# Altium PCB Tigershark 3D R2.3 - TR.PcbDoc (part 3 of 4) (continued)
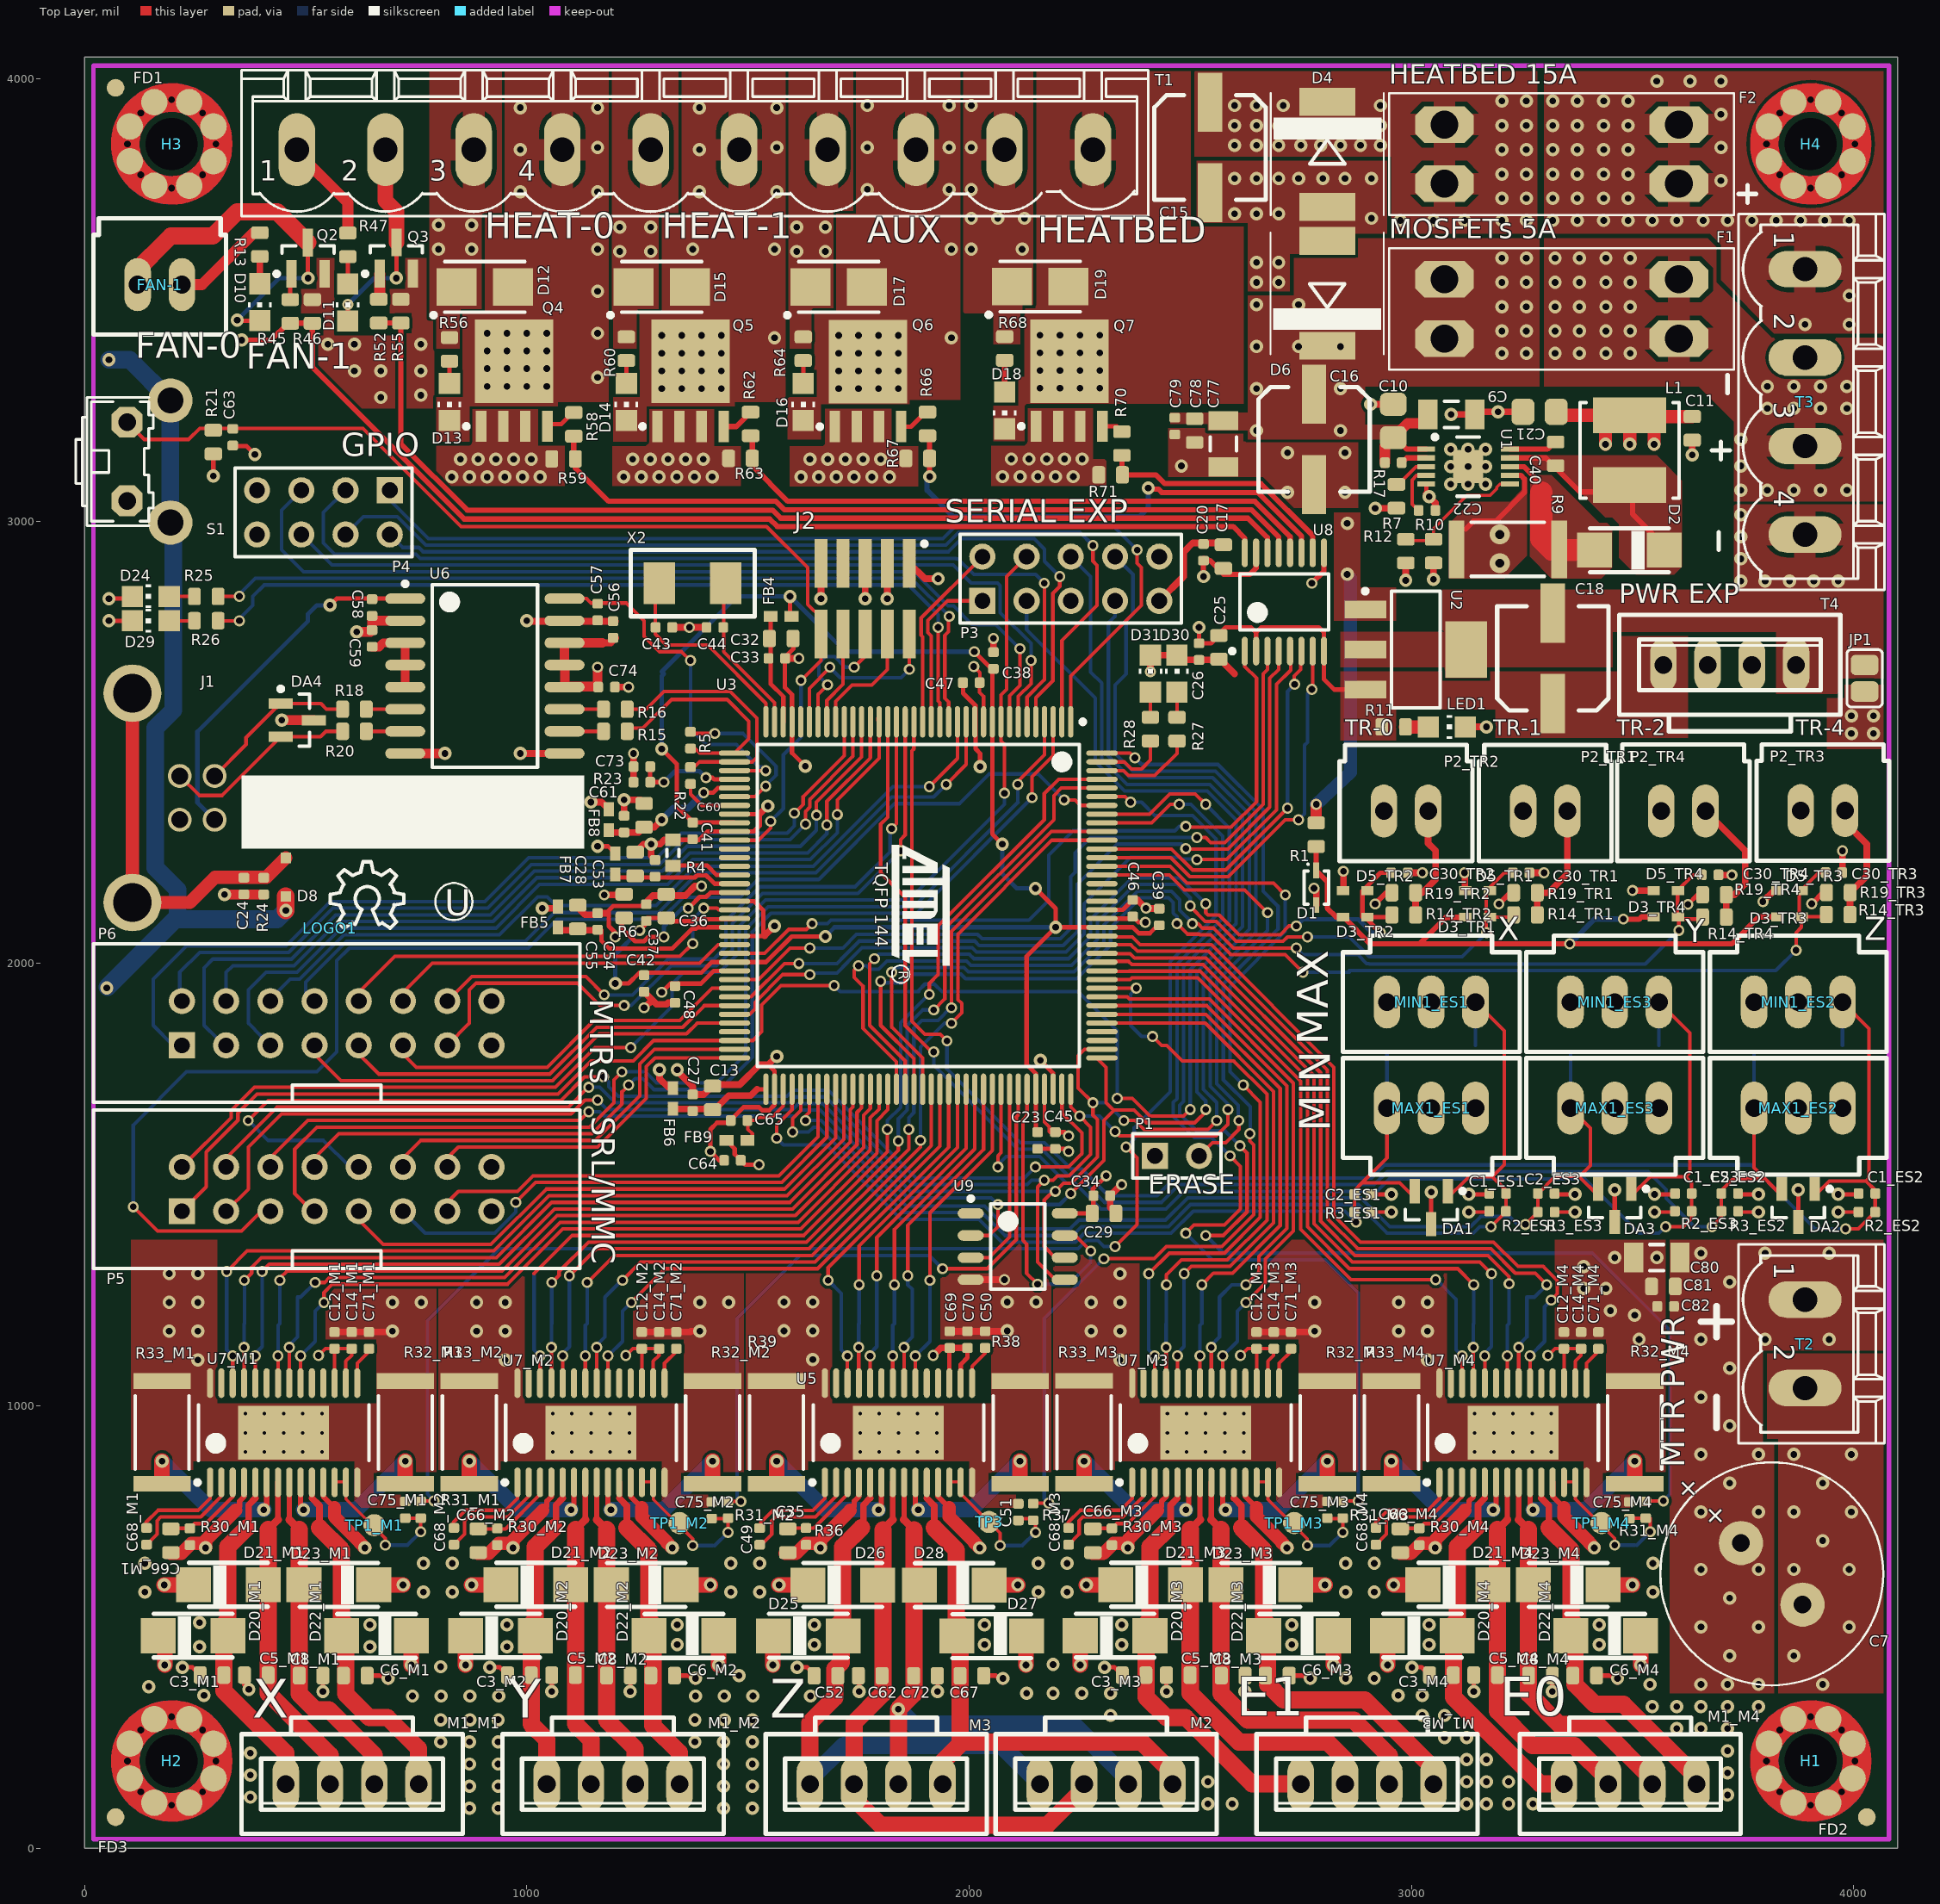
[diagram p0: Top Layer view]
## Nets (pads, with @x,y where several pads share a name; then routed paths per layer and width w, separated by ;. In a path a pad name is that pad's centre, name@x,y a point inside that pad or via, vN(x,y) a via of type N, cw(c..) or ccw(c..) an arc to the next point about the centre after c; other vN are vias at no path point) (continued)
  Top Layer w12: 3293.98,791.02 U7_M4.10@3293.98,827.8
  Top Layer w15: 3293.98,791.02 3311,774 3311,724
  Top Layer w39: 3311,724 3361,674 3361,515 3370,506 3370,370 3415,325 3480,325 3645,160 M1_M4.1@3645,145
NetC8_M1_1: C8_M1.1 D23_M1.A M1_M1.2 U7_M1.8 | length 780.7
  Top Layer w12: 462.8,742.2 U7_M1.8@462.8,827.8
  Top Layer w18: 462.8,742.2 485,720
  Top Layer w39: 485,720 485,348.82 521.58,312.24 552.76,312.24 655,210 M1_M1.2@655,145
NetC8_M2_1: C8_M2.1 D23_M2.A M1_M2.2 U7_M2.8 | length 718.9
  Top Layer w12: 1157.8,742.2 U7_M2.8@1157.8,827.8
  Top Layer w18: 1157.8,742.2 1180,720
  Top Layer w39: 1180,720 1180,290 1245,225 M1_M2.2@1245,145
NetC8_M3_1: C8_M3.1 D23_M3.A M1_M3.2 U7_M3.8 | length 990.1
  Top Layer w12: 2547.8,742.2 U7_M3.8@2547.8,827.8
  Top Layer w18: 2547.8,742.2 2570,720
  Top Layer w39: 2570,720 2570,350.05 2571,349.05 2571,347.82 2629.82,289 2870,289 2950,209 M1_M3.2@2950,145
NetC8_M4_1: C8_M4.1 D23_M4.A M1_M4.2 U7_M4.8 | length 858.5
  Top Layer w12: 3242.8,742.2 U7_M4.8@3242.8,827.8
  Top Layer w18: 3242.8,742.2 3265,720
  Top Layer w39: 3265,720 3265,348.82 3334.82,279 3421,279 3545,155 M1_M4.2@3545,145
NetC22_1: C22.1 U1.4 | length 112
  Top Layer w8: C22.1@3016.3,3024 3001.52,3038.78 3001.52,3093.29 3011.97,3103.74 U1.4@3033.83,3103.74
NetC24_2: C24.2 D8.A J1.5 J1.6 R24.2 | length 862.1
  Top Layer w30: J1.5@108,2611.16 J1.6@108,2137.94 237.94,2137.94 295,2195 411,2195 D8.A@455,2239
NetC35_1: C35.1 R36.1 U5.3 | length 195.3
  Top Layer w8: C35.1@1590,721.77 1591.94,723.71 1649.07,723.71 1724.87,799.51 U5.3@1724.87,827.76
NetC40_1: C40.1 U1.10 | length 93.4
  Top Layer w12: U1.10@3222.8,3162.8 3307.8,3162.8 C40.1@3313.77,3168.77
NetC40_2: C40.2 D2.C L1.1 U1.9 | length 475.6
  Top Layer w12: U1.9@3222.8,3143.11 3304.12,3143.11 3332,3115.23 3380.97,3066.26 3500,3066.26 3500,3016.74 D2.C@3582.74,2934
NetC43_2: C43.2 U3.36 X2.1 | length 476.4
  Top Layer w8: X2.1@1300,2860 1290,2850 1290,2745 1315,2720 1408.79,2720 1540.51,2588.27 U3.36@1540.51,2546.46
NetC44_2: C44.2 U3.35 X2.2 | length 376.3
  Top Layer w8: X2.2@1445,2875 1445,2705 1560.2,2589.8 U3.35@1560.2,2546.46
NetC49_1: C49.1 U5.1 | length 218.5
  Top Layer w8: C49.1@1528.77,722.41 1528.77,736.5 1555.98,763.71 1646.65,763.71 1673.69,790.75 U5.1@1673.69,827.76
NetC49_2: C49.2 U5.2 | length 266.8
  Top Layer w8: C49.2@1528.77,684.71 1553.77,709.71 1553.77,740.29 1562.19,748.71 1652.86,748.71 1699.28,795.13 U5.2@1699.28,827.76
NetC50_2: C50.2 U5.15 | length 91.1
  Top Layer w8: U5.15@2006.6,1051.94 2006.6,1089.08 2036.26,1118.74 C50.2@2036.26,1130.74
NetC51_2: C51.2 R37.2 TP3.1 TP15.1 U5.12 U5.13 | length 358.8
  Top Layer w7: U5.12@1955.19,827.76 U5.13@1980.78,827.76 ; U5.13@1981.01,826.8 1981.01,801.22 TP3.1@2045,737.23 2070.26,711.97 v2(2070.26,684)
  Top Layer w8: C51.2@2115.26,745 2150.26,745 v2(2150.26,714)
  Bottom Layer w8: v2(2070.26,684) TP15.1@2115.26,684 ; TP15.1@2120.26,684 v2(2150.26,714)
NetC52_1: C52.1 D25.A M2.4 M3.4 U5.5 | length 1323.8
  Top Layer w12: 1776.06,790.99 U5.5@1776.06,827.76
  Top Layer w15: 1760.79,728.21 1760.79,775.73 1776.06,790.99
  Top Layer w39: M3.4@1640,145 1640,283.79 1696.26,340.05 1696.26,404.83 1711.26,419.83 1711.26,499.74 D25.A@1705.03,505.97 ; D25.A@1714.03,514.97 1714.03,681.45 1757.03,724.45
  Bottom Layer w39: M3.4@1640,145 1640,155 1716.5,231.5 2073.5,231.5 M2.4@2160,145
NetC58_1: C58.1 J1.1 U6.1 | length 819.1
  Top Layer w10: v1(555,2810) 570,2825 U6.1@724.88,2825
  Bottom Layer w10: J1.1@294,2324.94 255,2363.94 255,2524 505,2774 505,2790 525,2810 v1(555,2810)
NetC62_1: C62.1 D26.A M2.3 M3.3 U5.7 | length 1298.4
  Top Layer w12: 1827.24,742.17 U5.7@1827.24,827.76
  Top Layer w18: 1805.03,719.97 1827.24,742.17
  Top Layer w39: M3.3@1740,111.5 1800,51.5 2176.4,51.5 M2.3@2260,135.1 ; M3.3@1740,145 1740,283.76 1805.03,348.79 1805.03,719.97
NetC66_M1_1: C66_M1.1 R30_M1.1 U7_M1.3 | length 202.5
  Top Layer w8: C66_M1.1@195,721.77 196.13,722.9 R30_M1.1@238,722.9 248.84,733.74 274.49,733.74 334.84,794.09 U7_M1.3@334.84,826.8
NetC66_M2_1: C66_M2.1 R30_M2.1 U7_M2.3 | length 199.3
  Top Layer w8: C66_M2.1@890,721.77 952.07,721.77 1029.84,799.54 U7_M2.3@1029.84,826.8
NetC66_M3_1: C66_M3.1 R30_M3.1 U7_M3.3 | length 202.5
  Top Layer w8: C66_M3.1@2280,721.77 2281.13,722.9 R30_M3.1@2323,722.9 2333.84,733.74 2359.49,733.74 2419.84,794.09 U7_M3.3@2419.84,826.8
NetC66_M4_1: C66_M4.1 R30_M4.1 U7_M4.3 | length 202.5
  Top Layer w8: C66_M4.1@2975,721.77 2976.13,722.9 R30_M4.1@3018,722.9 3028.84,733.74 3054.49,733.74 3114.84,794.09 U7_M4.3@3114.84,826.8
NetC67_1: C67.1 D27.A M2.1 M3.1 U5.10 | length 1267.1
  Top Layer w12: 1904.01,790.99 U5.10@1904.01,827.76
  Top Layer w15: 1904.01,790.99 1921.03,773.97 1921.03,723.97
  Top Layer w39: 1921.03,723.97 1971.03,673.97 1971.03,514.97 1980.03,505.97 1979.49,505.42 C67.1@1979.49,389.74 1979.49,235 ; M3.1@1940,145 1940,195 1985,240 2390,240 2460,170 M2.1@2460,145
NetC68_M1_1: C68_M1.1 U7_M1.1 | length 218.5
  Top Layer w8: C68_M1.1@138.74,722.44 138.74,736.53 165.95,763.74 256.62,763.74 283.66,790.79 U7_M1.1@283.66,827.8
NetC68_M1_2: C68_M1.2 U7_M1.2 | length 266.8
  Top Layer w8: C68_M1.2@138.74,684.74 163.74,709.74 163.74,740.32 172.16,748.74 262.83,748.74 309.25,795.16 U7_M1.2@309.25,827.8
NetC68_M2_1: C68_M2.1 U7_M2.1 | length 218.5
  Top Layer w8: C68_M2.1@833.74,722.44 833.74,736.53 860.95,763.74 951.62,763.74 978.66,790.79 U7_M2.1@978.66,827.8
NetC68_M2_2: C68_M2.2 U7_M2.2 | length 266.8
  Top Layer w8: C68_M2.2@833.74,684.74 858.74,709.74 858.74,740.32 867.16,748.74 957.83,748.74 1004.25,795.16 U7_M2.2@1004.25,827.8
NetC68_M3_1: C68_M3.1 U7_M3.1 | length 218.5
  Top Layer w8: C68_M3.1@2223.74,722.44 2223.74,736.53 2250.95,763.74 2341.62,763.74 2368.66,790.79 U7_M3.1@2368.66,827.8
NetC68_M3_2: C68_M3.2 U7_M3.2 | length 266.8
  Top Layer w8: C68_M3.2@2223.74,684.74 2248.74,709.74 2248.74,740.32 2257.16,748.74 2347.83,748.74 2394.25,795.16 U7_M3.2@2394.25,827.8
NetC68_M4_1: C68_M4.1 U7_M4.1 | length 218.5
  Top Layer w8: C68_M4.1@2918.74,722.44 2918.74,736.53 2945.95,763.74 3036.62,763.74 3063.66,790.79 U7_M4.1@3063.66,827.8
NetC68_M4_2: C68_M4.2 U7_M4.2 | length 266.8
  Top Layer w8: C68_M4.2@2918.74,684.74 2943.74,709.74 2943.74,740.32 2952.16,748.74 3042.83,748.74 3089.25,795.16 U7_M4.2@3089.25,827.8
NetC71_M1_2: C71_M1.2 U7_M1.15 | length 88.9
  Top Layer w8: U7_M1.15@616.34,1052.2 616.34,1096.34 643.74,1123.74 C71_M1.2@643.74,1129.74
NetC71_M2_2: C71_M2.2 U7_M2.15 | length 88.9
  Top Layer w8: U7_M2.15@1311.34,1052.2 1311.34,1096.34 1338.74,1123.74 C71_M2.2@1338.74,1129.74
NetC71_M3_2: C71_M3.2 U7_M3.15 | length 88.9
  Top Layer w8: U7_M3.15@2701.34,1052.2 2701.34,1096.34 2728.74,1123.74 C71_M3.2@2728.74,1129.74
NetC71_M4_2: C71_M4.2 U7_M4.15 | length 88.9
  Top Layer w8: U7_M4.15@3396.34,1052.2 3396.34,1096.34 3423.74,1123.74 C71_M4.2@3423.74,1129.74
NetC72_1: C72.1 D28.A M2.2 M3.2 U5.8 | length 1302.2
  Top Layer w12: 1852.83,742.17 U5.8@1852.83,827.76
  Top Layer w18: 1852.83,742.17 1875.03,719.97
  Top Layer w39: M3.2@1840,145 v1(1840,313.76) 1875.03,348.79 1875.03,719.97
  Bottom Layer w39: v1(1840,313.76) 1873.76,280 2234.9,280 2360,154.9 M2.2@2360,145
NetC73_2: C73.2 R23.2 U3.40 | length 243.6
  Top Layer w10: C73.2@1279,2445 R23.2@1279,2410 v2(1310,2410) ; v2(1405,2420) 1420,2420 1423.46,2416.54 U3.40@1469.65,2416.54
  Bottom Layer w10: v2(1310,2410) 1335,2435 1390,2435 v2(1405,2420)
NetC75_M1_2: C75_M1.2 R31_M1.2 TP1_M1.1 TP33_M1.1 U7_M1.12 U7_M1.13 | length 363.8
  Top Layer w7: U7_M1.12@565.16,827.8 590.75,827.8 590.75,789.25 680,700 v2(680,685)
  Top Layer w8: C75_M1.2@725,746 R31_M1.2@760,746 v2(760,715)
  Bottom Layer w8: v2(680,685) TP33_M1.1@725,685 730,685 v2(760,715)
NetC75_M2_2: C75_M2.2 R31_M2.2 TP1_M2.1 TP33_M2.1 U7_M2.12 U7_M2.13 | length 358.8
  Top Layer w7: U7_M2.12@1260.16,827.8 U7_M2.13@1285.75,827.8 ; U7_M2.13@1285.75,826.8 1285.75,788.25 1375,699 v2(1375,684)
  Top Layer w8: C75_M2.2@1420,745 1455,745 v2(1455,714)
  Bottom Layer w8: v2(1375,684) TP33_M2.1@1420,684 ; TP33_M2.1@1425,684 v2(1455,714)
NetC75_M3_2: C75_M3.2 R31_M3.2 TP1_M3.1 TP33_M3.1 U7_M3.12 U7_M3.13 | length 358.8
  Top Layer w7: U7_M3.12@2650.16,827.8 U7_M3.13@2675.75,827.8 ; U7_M3.13@2675.75,826.8 2675.75,788.25 2765,699 v2(2765,684)
  Top Layer w8: C75_M3.2@2810,745 2845,745 v2(2845,714)
  Bottom Layer w8: v2(2765,684) TP33_M3.1@2810,684 ; TP33_M3.1@2815,684 v2(2845,714)
NetC75_M4_2: C75_M4.2 R31_M4.2 TP1_M4.1 TP33_M4.1 U7_M4.12 U7_M4.13 | length 358.8
  Top Layer w7: U7_M4.12@3345.16,827.8 3370.75,827.8 3370.75,789.25 3460,700 v2(3460,685)
  Top Layer w8: 3505,746 3540,746 v2(3540,715)
  Bottom Layer w8: v2(3460,685) TP33_M4.1@3505,685 ; TP33_M4.1@3510,685 v2(3540,715)
NetD2_A: D2.A R9.2 U1.8 | length 326.9
  Top Layer w12: U1.8@3222.8,3123.43 3254.67,3123.43 3293.88,3084.22 3293.88,3065
  Top Layer w50: 3293.88,3065 3293.88,2960.26 R9.2@3319.14,2935 ; R9.2@3334.14,2935 D2.A@3414,2935
NetD10_A: D10.A R13.1 | length 61.9
  Top Layer w15: D10.A@396,3536.91 R13.1@396,3598.8
NetD10_C: D10.C FAN-1.2 Q2.3 | length 848.3
  Top Layer w10: v1(345,3454.57) 346,3453.57 D10.C@396,3453.57 ; v1(505,3549.57) Q2.3@505,3630.22
  Top Layer w39: FAN-1.2@110,3525 110,3560 195,3645 290,3645 345,3700 435.22,3700 Q2.3@505,3630.22
  Bottom Layer w10: v1(345,3454.57) 440,3549.57 v1(505,3549.57)
NetD11_A: D11.A R47.1 | length 66.1
  Top Layer w10: D11.A@595,3536.34 R47.1@595,3598.23 ; D11.A@601,3523.34 D11.A@604,3520.34
NetD13_A: D13.A R56.1 | length 50.5
  Top Layer w10: D13.A@825,3311.34 R56.1@825,3361.87
NetD14_A: D14.A R60.1 | length 51.9
  Top Layer w10: D14.A@1225,3311.34 R60.1@1225,3363.23
NetD16_A: D16.A R64.1 | length 51.9
  Top Layer w10: D16.A@1625,3311.34 R64.1@1625,3363.23
NetD18_A: D18.A R68.1 | length 52
  Top Layer w12: D18.A@2080.5,3295.53 2080.5,3347.5
NetD24_A: D24.A R25.2 | length 56.9
  Top Layer w8: D24.A@191.34,2830 R25.2@248.23,2830
NetD29_A: D29.A R26.2 | length 56.9
  Top Layer w8: D29.A@191.34,2775 R26.2@248.23,2775
NetD30_A: D30.A R27.2 | length 56.9
  Top Layer w8: R27.2@2470,2556.77 D30.A@2470,2613.66
NetD31_A: D31.A R28.2 | length 56.9
  Top Layer w8: R28.2@2410,2556.77 D31.A@2410,2613.66
NetF1_1: F1.1 T3.3
  other v1: 3745,3070 3805,3070 3865,3070 3925,3070 3985,3070 3745,3125 3745,3185 3805,3255 3865,3255 3925,3255 3985,3255 3805,3305 3865,3305 3925,3305 3985,3305 3325,3380 3380,3380 3440,3380 3495,3380 3325,3430 3380,3430 3440,3430 3495,3430 3325,3485 3380,3485 3440,3485 3495,3485 3325,3540 3380,3540 3440,3540 3495,3540 3325,3595 3380,3595 3440,3595 3495,3595
NetF2_1: F2.1 T3.1
  other v1: 3890,3445 3990,3445 3990,3510 3320,3680 3375,3680 3435,3680 3490,3680 3545,3680 3600,3680 3660,3680 3715,3680 3770,3680 3825,3680 3880,3680 3935,3680 3990,3680 3320,3730 3375,3730 3435,3730 3490,3730 3700,3770 3320,3785 3375,3785 3435,3785 3490,3785 3320,3840 3375,3840 3435,3840 3490,3840 3700,3845 3320,3895 3375,3895 3435,3895 3490,3895 3700,3920 3320,3950 3375,3950 3435,3950 3490,3950 3555,3995 3630,3995 3700,3995
NetLED1_A: LED1.A R11.1 | length 51.9
  Top Layer w30: R11.1@2986.77,2535 LED1.A@3038.66,2535
NetP2_TR1_1: P2_TR1.1 R14_TR1.1 R19_TR1.1 | length 277.6
  Top Layer w15: R14_TR1.1@3284.72,2110 R19_TR1.1@3284.72,2160 3310,2160 3352.95,2202.95 P2_TR1.1@3352.95,2344.53
NetP2_TR2_1: P2_TR2.1 R14_TR2.1 R19_TR2.1 | length 269.3
  Top Layer w15: R14_TR2.1@3009.72,2110 R19_TR2.1@3009.72,2160 3025,2160 3055,2190 3055,2255 3037.95,2272.05 P2_TR2.1@3037.95,2344.53
NetP2_TR3_1: P2_TR3.1 R14_TR3.1 R19_TR3.1 | length 271.2
  Top Layer w15: P2_TR3.1@3980.47,2345.47 3980.47,2319.53 4030,2270 4030,2198.23 R19_TR3.1@3992.24,2160.47 ; R14_TR3.1@3991.77,2110.47 R19_TR3.1@3991.77,2160.47
NetP2_TR4_1: P2_TR4.1 R14_TR4.1 R19_TR4.1 | length 311.2
  Top Layer w8: R19_TR4.1@3712.24,2155.47 R19_TR4.1@3716.47,2159.7
  Top Layer w15: P2_TR4.1@3665,2345 3755,2255 3755,2180 3730.47,2155.47 R19_TR4.1@3712.24,2155.47 ; R14_TR4.1@3712.24,2105 R19_TR4.1@3712.24,2155
NetQ2_1: Q2.1 R45.2 | length 68.9
  Top Layer w10: R45.2@465,3501.34 465,3566.53 Q2.1@467.6,3569.13
NetQ3_1: Q3.1 R52.2 | length 58.9
  Top Layer w25: R52.2@665,3501.77 667.6,3504.38 Q3.1@667.6,3559.57
NetQ4_4: Q4.4 R58.2 | length 73.2
  Top Layer w10: Q4.4@1046.5,3214.66 1051.36,3219.53 1077.75,3219.53 R58.2@1106,3247.77
NetQ5_4: Q5.4 R62.2 | length 74.5
  Top Layer w12: Q5.4@1445,3214.28 1473.5,3214.28 R62.2@1506,3246.77
NetQ6_4: Q6.4 R66.2 | length 72.4
  Top Layer w10: Q6.4@1846,3213.85 1868.85,3213.85 R66.2@1903.89,3248.89
NetQ7_4: Q7.4 R70.2 | length 49
  Top Layer w10: Q7.4@2301.5,3214.66 2333.41,3214.66 R70.2@2345.49,3202.58
NetR4_1: R4.1 U3.51 | length 158.6
  Top Layer w10: R4.1@1320,2221.57 1407.47,2221.57 1429.04,2200 U3.51@1469.65,2200
NetR5_1: R5.1 U3.42 | length 360.6
  Top Layer w8: R5.1@1370,2523.9 1373.9,2520 v2(1425,2520) ; U3.42@1469.65,2377.17 1516.06,2377.17 v2(1540,2401.1)
  Bottom Layer w8: v2(1425,2520) 1489.34,2520 1563.5,2445.84 1563.5,2426.37 1540,2402.87 v2(1540,2401.1)
NetR6_1: R6.1 U3.53 | length 352.5
  Top Layer w10: R6.1@1215,2093.23 1215,2080 1244.5,2050.5 1265.15,2050.5 1274.65,2060 v2(1310,2060) ; v2@1360,2120 1370,2120 1370,2129.65 1390.85,2150.5 1405.15,2150.5 1415.28,2160.63 U3.53@1469.65,2160.63
  Bottom Layer w10: v2(1310,2060) 1310,2084 1310.12,2084 1351.12,2125 v2(1365,2125)
NetR7_1: R7.1 U1.3 | length 76.4
  Top Layer w8: R7.1@2970.84,3091.14 2978.14,3091.14 3010.43,3123.43 U1.3@3033.83,3123.43
NetR10_2: R10.2 R12.1 U1.6 | length 291.8
  Top Layer w7: R12.1@2986.36,2956.6 R10.2@3042.45,2956.6 ; R10.2@3050,2964.15 3050,2983 3125.56,3058.56 3178.25,3058.56 3193.18,3073.49 3193.18,3077.18 3200.06,3084.06 U1.6@3222.8,3084.06
NetR17_1: R17.1 U1.2 | length 56.9
  Top Layer w12: R17.1@2980.68,3134.05 2989.73,3143.11 U1.2@3033.83,3143.11
NetR22_1: R22.1 U3.43 | length 123.4
  Top Layer w8: R22.1@1370,2396.1 1370,2382.87 1395.39,2357.48 U3.43@1469.65,2357.48
NetR32_M1_2: R32_M1.2 U7_M1.9 | length 392.5
  Top Layer w12: U7_M1.9@488.39,827.8 488.39,771.61 v1(495,765)
  Top Layer w35: R32_M1.2@725,823.6 v1(725,875)
  Bottom Layer w35: v1(495,765) 615,765 v1(725,875)
NetR32_M2_2: R32_M2.2 U7_M2.9 | length 392.5
  Top Layer w12: U7_M2.9@1183.39,827.8 1183.39,771.61 v1(1190,765)
  Top Layer w35: R32_M2.2@1420,823.6 v1(1420,875)
  Bottom Layer w35: v1(1190,765) 1310,765 v1(1420,875)
NetR32_M3_2: R32_M3.2 U7_M3.9 | length 392.5
  Top Layer w12: U7_M3.9@2573.39,827.8 2573.39,771.61 v1(2580,765)
  Top Layer w35: R32_M3.2@2810,823.6 v1(2810,875)
  Bottom Layer w35: v1(2580,765) 2700,765 v1(2810,875)
NetR32_M4_2: R32_M4.2 U7_M4.9 | length 392.5
  Top Layer w12: U7_M4.9@3268.39,827.8 3268.39,771.61 v1(3275,765)
  Top Layer w35: R32_M4.2@3505,823.6 v1(3505,875)
  Bottom Layer w35: v1(3275,765) 3395,765 v1(3505,875)
NetR33_M1_2: R33_M1.2 U7_M1.6 | length 392.5
  Top Layer w12: v1(405,765) 411.61,771.61 U7_M1.6@411.61,827.8
  Top Layer w35: R33_M1.2@175,823.6 v1(175,875)
  Bottom Layer w35: v1(175,875) 285,765 v1(405,765)
NetR33_M2_2: R33_M2.2 U7_M2.6 | length 392.5
  Top Layer w12: v1(1100,765) 1106.61,771.61 U7_M2.6@1106.61,827.8
  Top Layer w35: R33_M2.2@870,823.6 v1(870,875)
  Bottom Layer w35: v1(870,875) 980,765 v1(1100,765)
NetR33_M3_2: R33_M3.2 U7_M3.6 | length 392.2
  Top Layer w12: v1(2490,765) 2496.61,771.61 U7_M3.6@2496.61,827.8
  Top Layer w35: R33_M3.2@2260,823.86 v1(2260,875)
  Bottom Layer w35: v1(2260,875) 2370,765 v1(2490,765)
NetR33_M4_2: R33_M4.2 U7_M4.6 | length 392.5
  Top Layer w12: v1(3185,765) 3191.61,771.61 U7_M4.6@3191.61,827.8
  Top Layer w35: R33_M4.2@2955,823.6 v1(2955,875)
  Bottom Layer w35: v1(2955,875) 3065,765 v1(3185,765)
NetR38_2: R38.2 U5.9 | length 392.5
  Top Layer w12: U5.9@1878.42,827.76 1878.42,771.58 v1(1885.03,764.97)
  Top Layer w35: R38.2@2115.03,823.6 v1(2115.03,874.97)
  Bottom Layer w35: v1(1885.03,764.97) 2005.03,764.97 v1(2115.03,874.97)
NetR39_2: R39.2 U5.6 | length 392.5
  Top Layer w12: v1(1795.03,764.97) 1801.65,771.58 U5.6@1801.65,827.76
  Top Layer w35: R39.2@1565.03,823.6 v1(1565.03,874.97)
  Bottom Layer w35: v1(1565.03,874.97) 1675.03,764.97 v1(1795.03,764.97)
NetR45_1: R45.1 R46.1 U8.16 | length 2572
  Top Layer w12: v1(355,3409.57) 421.77,3409.57 R45.1@460,3447.8 ; R45.1@465,3447.8 R46.1@515,3447.8 515,3348.13 858.13,3005 1549.04,3005 1566.04,2988 2597,2988 2623.43,2961.57 U8.16@2623.43,2928.66
NetR52_1: R52.1 R55.1 U8.14 | length 2404.9
  Top Layer w12: R52.1@665,3448.23 R55.1@715,3448.23 715,3175 865,3025 1555.91,3025 1573.91,3007 2630.52,3007 2674.61,2962.91 U8.14@2674.61,2928.66
NetR58_1: R58.1 R59.1 U8.13 | length 1758.8
  Top Layer w12: R59.1@1106,3144.77 R58.1@1106,3192.23 ; R59.1@1109.77,3141 1109.77,3120.23 1185,3045 1563.13,3045 1582.13,3026 2638.39,3026 2700.2,2964.19 U8.13@2700.2,2928.66
NetR62_1: R62.1 R63.1 U8.12 | length 1383.2
  Top Layer w12: R62.1@1509.77,3189.46 R63.1@1509.77,3142 1509.77,3125.23 1590,3045 2646.26,3045 2725.8,2965.46 U8.12@2725.8,2928.66
NetR66_1: R66.1 R67.1 U8.11 | length 1121.2
  Top Layer w12: v1(1910.77,3100.77) R67.1@1910.77,3142 R66.1@1910.77,3188.46 ; v1(2405,3075) 2407.15,3072.85 2427.85,3072.85 2435.71,3065 2653.13,3065 2751.39,2966.74 U8.11@2751.39,2928.66
  Bottom Layer w12: v1@1905,3095 1905,3070 1965,3010 2385,3010 2405,3030 v1(2405,3075) ; v1@1910,3100 v1(1910.77,3100.77)
NetR70_1: R70.1 R71.1 U8.10 | length 577.8
  Top Layer w12: R71.1@2345.49,3097.58 R70.1@2345.49,3149.04 ; R71.1@2346.77,3105 2422.58,3105 2442.58,3085 2660,3085 2776.98,2968.02 U8.10@2776.98,2928.66
NRST: U3.69
OVREF: D1.2 D3_TR1.C D3_TR2.C D3_TR3.C D3_TR4.C R1.1 TP2.1 | length 1569.3
  Top Layer w12: R1.1@2785,2261.77 2785,2210 2810,2185 2810,2125 2830,2105 2846.38,2105 2906.88,2044.5 3017.93,2044.5 ; D3_TR1.C@3121.38,2104.53 3077.95,2104.53 3017.93,2044.5 ; v2(3479.53,2100.47) 3480,2100 3515,2100 3520.47,2105.47 D3_TR4.C@3548.9,2105.47 ; D3_TR3.C@3828.9,2105.47 3785.47,2105.47 3724.5,2044.5 v2(3358.2,2044.5) 3017.93,2044.5
  Bottom Layer w12: v2(3358.2,2044.5) TP2.1@3414.17,2100.47 v2(3479.53,2100.47)
R_N: DA4.1 J1.2 R18.2 | length 368.4
  Top Layer w8: J1.2@294,2424.15 365,2495.15 365,2510.84 433.66,2579.5 435.58,2579.5 DA4.1@443.48,2587.4 534.39,2587.4 546.8,2575 R18.2@580.47,2575
R_P: DA4.2 J1.3 R20.2 | length 443.8
  Top Layer w8: J1.3@215,2424.15 259.15,2380 310.88,2380 DA4.2@443.48,2512.6 533.48,2512.6 545.88,2525 R20.2@580.47,2525
REF1: R31_M1.1 U3.139 | length 3421.4
  Top Layer w8: R31_M1.1@760,783.9 761.1,785 v2(790,785) ; U3.139@2300.35,2377.17 2352.83,2377.17 v2(2365,2365) ; v2@2325,1355 2380,1410 2380,1530.39 2379.47,1530.92 2379.47,1560.53 v5(2355,1585)
  Bottom Layer w8: v2(790,785) 775,800 775,1192.52 937.48,1355 2246.77,1355 2265.27,1373.5 2291.5,1373.5 2305,1360 v2(2330,1360) ; v5(2355,1585) 2373.5,1603.5 2373.5,1628.5 2455,1710 2455,2005 2558.5,2108.5 2558.5,2281.5 2505,2335 2420,2335 2390,2365 v2(2365,2365)
REF2: R31_M2.1 U3.102 | length 1518.7
  Top Layer w8: R31_M2.1@1455,783.9 v2(1483.9,783.9) ; v8(1940,1310) 2041.21,1310 2106.69,1375.48 2106.69,1652.91 2111.38,1657.59 U3.102@2111.38,1715.75
  Bottom Layer w8: v2(1483.9,783.9) 1475,792.8 1475,1197.48 1617.52,1340 1910,1340 v8(1940,1310)
REF3: R31_M3.1 U3.136 | length 2393.4
  Top Layer w8: U3.136@2300.35,2318.11 2413.11,2318.11 2455,2360 v2(2475,2360) ; v2(2490,1390) 2508.5,1408.5 2577.29,1408.5 2613.5,1444.71 2613.5,1541.5 v5(2590,1565) ; R31_M3.1@2845,783.9 2846.1,785 v5(2880,785)
  Bottom Layer w8: v2(2475,2360) 2501.21,2360 2573.5,2287.71 2573.5,2102.29 2470,1998.79 2470,1694.45 2461.5,1685.95 2461.5,1654.05 2509.05,1606.5 2548.5,1606.5 v5(2590,1565) ; v2(2490,1390) 2550,1330 2805,1330 2880,1255 v5(2880,785)
REF4: R31_M4.1 U3.137 | length 3039.9
  Top Layer w8: U3.137@2300.35,2337.8 2407.8,2337.8 2453.5,2383.5 2511.5,2383.5 v2(2535,2360) ; v2(2535,1385) 2575,1385 2628.5,1438.5 2628.5,1571.75 v5(2612.63,1587.63) ; R31_M4.1@3530,783.9 3531.1,785 v5(3570,785)
  Bottom Layer w8: v2(2535,1385) 2575,1345 3410,1345 3585,1170 3585,800 v5(3570,785) ; v2(2535,2360) 2588.5,2306.5 2588.5,2096.07 2485,1992.57 2485,1688.23 2476.5,1679.73 2476.5,1660.27 2515.27,1621.5 2578.75,1621.5 v5(2612.63,1587.63)
REF_EXP1: P6.13 U3.20 | length 1643.5
  Top Layer w8: P6.13@800,1815 P6.13@820,1815 870,1865 870,1940 885.53,1955.53 1114.47,1955.53 1165,1905 v2(1220,1905) ; v2(1845,2255) 1845,2280 1855.47,2290.47 U3.20@1855.47,2546.46
  Bottom Layer w8: v2(1220,1905) 1236.21,1905 1326.21,1995 1428.79,1995 1465,2031.21 1465,2090.41 1533.09,2158.5 1748.5,2158.5 v2(1845,2255)
REF_EXP2: P6.14 U3.21 | length 1530.1
  Top Layer w8: P6.14@800,1915 P6.14@820,1915 875.53,1970.53 1133.47,1970.53 v2(1175,1929) ; v2(1825,2305) 1835.79,2315.79 U3.21@1835.79,2546.46
  Bottom Layer w8: v2(1175,1929) 1239,1929 1320,2010 1422.57,2010 1450,2037.43 1450,2096.62 1526.88,2173.5 1742.29,2173.5 1821.5,2252.71 1821.5,2301.5 v2(1825,2305)
REF_Z: R37.1 U3.144 | length 2454.8
  Top Layer w8: R37.1@2145,778.9 2146.1,780 v5(2180,780) ; U3.144@2300.35,2475.59 2364.41,2475.59 v2(2375,2465) ; v2(2305,1332.48) 2418.79,1332.48 2446.31,1360 2571.21,1360 2643.5,1432.29 2643.5,1589.99 2635,1598.49 v2(2635,1615)
  Bottom Layer w8: v5(2180,780) 2170,790 2170,1197.48 v2(2305,1332.48) ; v2(2375,2465) 2390,2450 2563.09,2450 2665,2348.09 2665,2163.23 2698.5,2129.73 2698.5,2077.29 2575,1953.79 2575,1736.77 2635.61,1676.16 v2@2635.61,1615
RESET: C63.2 J2.10 R21.1 S1.1 U3.47 | length 2437.3
  Top Layer w8: S1.1@96,3224 135,3185 235,3185 260,3210 629.09,3210 851.09,2988 1542,2988 1635,2895 1635,2812.11 1665,2782.11 J2.10@1665,2745.08 1665,2685 v2(1620,2640) ; U3.47@1469.65,2278.74 1523.74,2278.74 1551.19,2306.19 v2(1551.19,2321.6)
  Bottom Layer w8: v2(1551.19,2321.6) 1580,2350.41 1580,2472.2 1620,2512.2 v2(1620,2640)
RXD0: P5.8 U3.3 | length 2382.1
  Top Layer w8: P5.8@500,1540 575,1615 1147.57,1615 1215,1682.43 1215,1710 v2(1230,1725) ; v2(2142.43,2375) 2142.43,2422.43 2190.12,2470.12 U3.3@2190.12,2546.46
  Bottom Layer w8: v2(1230,1725) 1245,1740 1262.02,1740 1287.02,1715 1436.21,1715 1510,1788.79 1510,2071.77 1551.73,2113.5 1880.93,2113.5 v2(2142.43,2375)
RXD1: P3.2 U3.18 | length 432.3
  Top Layer w8: U3.18@1894.84,2546.46 1894.84,2738.94 1891.5,2742.29 1891.5,2781.5 P3.2@2030,2920
SCLK: P3.7 P5.3 TP6.1 U3.110 U9.6 | length 4573.5
  Top Layer w8: P5.3@300,1440 P5.3@320,1440 370,1490 370,1585 445,1660 1100,1660 1131.21,1691.21 v2(1160,1691.21) ; v2(2195,1485) 2213.5,1503.5 2230.93,1503.5 2290,1562.57 2290,1647.2 2280,1657.2 v2(2280,1685) 2246.39,1718.61 2246.39,1791.39 2261.3,1806.3 U3.110@2300.35,1806.3 ; v2@2195,1490 2170,1465 2170,1360 2195,1335 U9.6@2216.3,1335 ; v2(2350,1645) 2375,1645 2395,1625 2540,1625 v2(2560,1645)
  Bottom Layer w8: v2(1160,1691.21) 1181.21,1670 1600.55,1670 1614.05,1683.5 1669.07,1683.5 1867.57,1485 v2(2195,1485) ; v2(2280,1685) 2310,1685 v2(2350,1645) ; P3.7@2330,2820 2330,2785 2315,2770 2315,2468.79 2363.79,2420 2550.66,2420 2633.5,2337.16 2633.5,2077.43 2530,1973.93 2530,1715.81 2560,1685.81 v2(2560,1645)
SHDN: U3.50
SPIFLASH_CS: U9.1
STATUS_A: R27.1 U3.142 | length 223.2
  Top Layer w8: U3.142@2300.35,2436.22 2349.33,2436.22 2360.55,2425 2420,2425 2470,2475 R27.1@2470,2503.23
STATUS_B: R28.1 U3.143 | length 167.7
  Top Layer w8: U3.143@2300.35,2455.91 2350.86,2455.91 2366.77,2440 2390,2440 2410,2460 R28.1@2410,2503.23
STEP1: TP40_M1.1 U3.85 U7_M1.22 | length 1811
  Top Layer w8: U7_M1.22@437.2,1052.2 v2(437.2,1112.64) ; v2(441.26,1283.74) 441.26,1288.69 457.57,1305 943.64,1305 1068.64,1430 1607.28,1430 1761.5,1584.22 1761.5,1657.16 1776.73,1672.39 U3.85@1776.73,1715.75
  Bottom Layer w8: v2@437,1112.84 v2(437.2,1112.64) 437.2,1181.75 TP40_M1.1@441.23,1185.77 v2@441.23,1275.77
STEP2: TP40_M2.1 U3.134 U7_M2.22 | length 2052.2
  Top Layer w8: U7_M2.22@1132.2,1052.2 v2(1132.2,1112.64) ; v2(1136.26,1278.74) 1197.52,1340 1645,1340 1890,1585 v2(1890,1600) ; v2(1960,1865) 1983.5,1888.5 1983.5,1909.73 1975,1918.23 1975,2066.36 2187.38,2278.74 U3.134@2300.35,2278.74
  Bottom Layer w8: v2@1132,1112.84 v2(1132.2,1112.64) 1132.2,1181.75 TP40_M2.1@1136.23,1185.77 v2@1136.23,1275.77 ; v2(1890,1600) 1890,1810.55 1944.45,1865 v2(1960,1865)
STEP3: TP40_M3.1 U3.114 U7_M3.22 | length 1242.1
  Top Layer w8: U3.114@2301.42,1886.1 U3.114@2300.35,1885.04 2535.62,1885.04 2703.5,1717.16 2703.5,1407.43 2596.07,1300 2552.52,1300 v2(2526.26,1273.74) ; U7_M3.22@2522.2,1052.2 v2(2522.2,1112.64)
  Bottom Layer w8: v2@2522,1112.84 v2(2522.2,1112.64) 2522.2,1181.75 TP40_M3.1@2526.23,1185.77 v2@2526.23,1275.77